# Allegro board A733_PRO3_AXP318_LPDDR5_FBGA315BALL_32X1_V2_0.brd (continued)
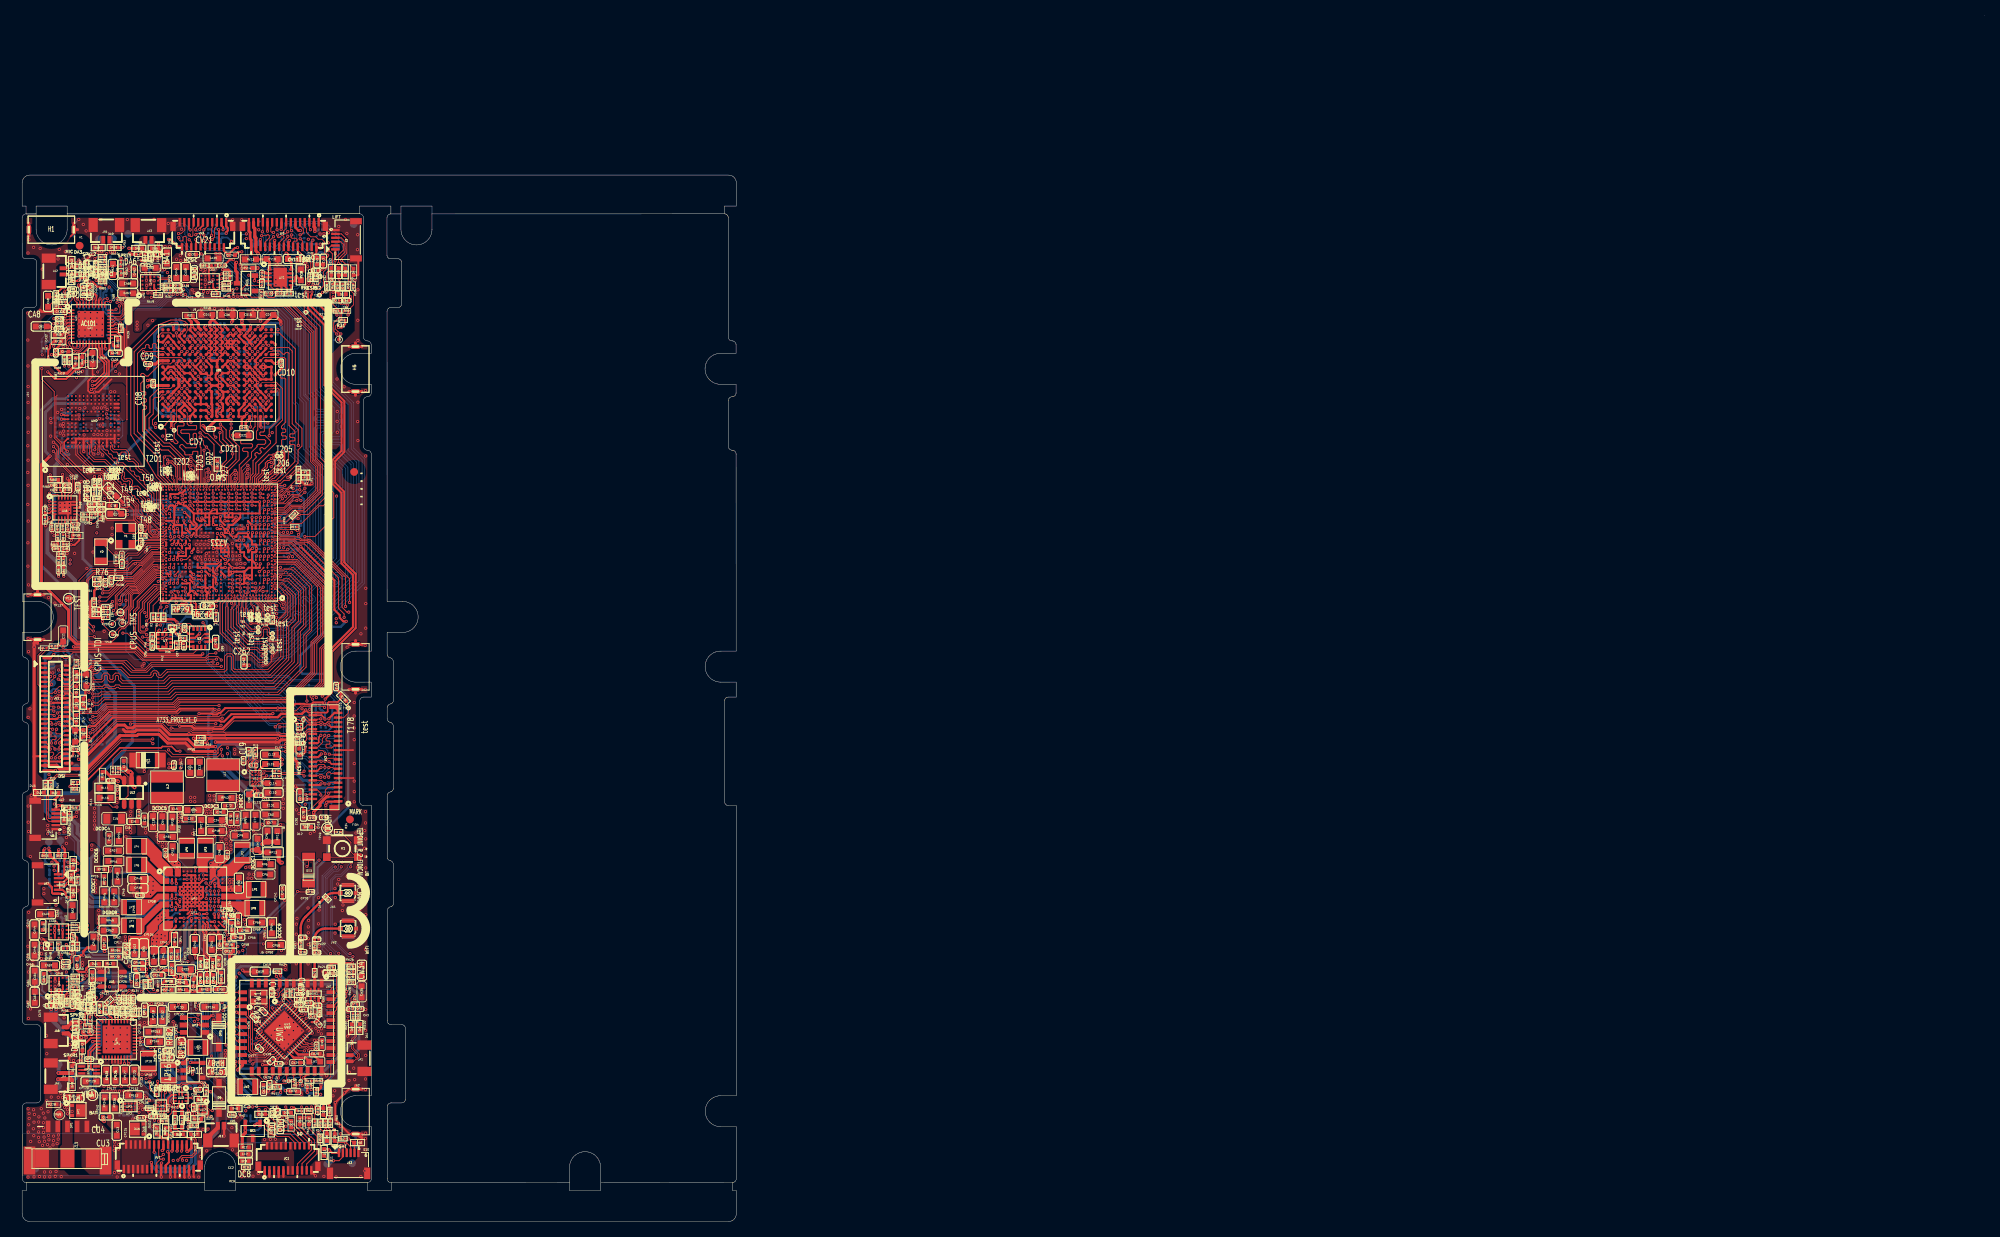
[diagram p0: board, top side]
## Routing (per net, layer and track width the routed paths; a pad name or vN(x,y) marks a point on that pad's centre or on a via; arc(x,y) is an arc through that point) (continued)
VBUS-AXP318: length 2.7
  TOP w0.203: UP4.7 12.78,20.48 12.66,20.36 ; UP4.5 11.98,20.49 ; UP4.4 11.58,20.46 ; UP4.6 12.38,20.44
  vias: v1(15.06,19.83) v1(15.03,19) v1(15.46,18.96) v1(15.91,19.02) v1(16.34,19.04) v1(16.49,18.58) v1(16.76,19.03) v1(16.81,36.09) v1(16.82,35.62) v1(16.93,36.55) v1(17.19,19.02) v1(17.31,36.09) v1(17.33,35.62) v1(17.4,37.03) v1(17.41,36.54) v1(17.81,36.04) v1(17.94,37.01) v1(17.92,36.53) v1(18.42,36.85)
VBUS-AXP515: length 10.3
  TOP w0.254: v1(7.2,20.69) 7.3,20.79 RP245.1 ; UP5.A2 17.32,14.96 17.27,15.01 17.09,15.01 v1(17.09,15.01)
  L3 w0.254: v1(10.41,16.83) 9.75,16.83 7.2,19.38 v1(7.2,20.69)
  BOTTOM w0.254: 14.63,17.12 15.04,16.7 16.01,16.7 17.11,15.6 17.11,15.03 v1(17.09,15.01)
  vias: v1(10.93,16.83) v1(11.46,16.81) v1(12,16.81) v1(12.55,16.81) v1(13.11,16.81) v1(13.64,16.85) v1(15.19,25.65) v1(15.56,25.25) v1(15.76,25.67) v1(16.09,25.26) v1(16.26,25.7) v1(16.62,25.26)
VBUS-USB: length 0.5
  BOTTOM w0.254: RP237.2 14.27,13.22 v1(14.27,13.22)
VCC09-VDD2L: length 45.8
  TOP w0.254: UD1.Y6 UD1.AA6 32.61,107.85 32.61,107.86 v1(32.65,107.86) ; 23.83,102.26 23.84,102.25 CD7.1 ; v1(24.09,104.26) 24.07,104.27 24.05,104.27 24.05,104.34 UD1.J2 UD1.H2 ; UD1.P2 v1(26.88,105) UD1.N2
  TOP w0.305: v1(27.57,114.65) 27.23,114.31 UD1.P14 27.2,114.25 v1(26.84,114.61) 26.53,114.3 UD1.N14 ; CD10.1 33.08,110.98 v1(32.8,110.71) 32.48,110.71 UD1.AA10 UD1.Y10 ; UD1.J14 23.73,114.3 v1(23.41,114.62) 23.04,114.25 UD1.H14 23.03,114.3 v1(22.68,114.65) ; v1(16.13,110) 16.48,110.35
  TOP w0.381: 16.48,110.35 CD9.1 17.23,110.64 17.64,111.05 UD1.A10 UD1.B10 ; v1(27,116.04) 27.15,116.19 CD6.1 ; v1(23.32,102.69) 23.78,102.23 23.83,102.23 23.83,102.26 24.92,103.35 26.56,103.35 26.59,103.37 26.87,103.37 v1(26.91,103.41) ; v1(8.15,94.82) 8.15,94.81 8.41,94.54 RP198.2 ; v1(16.16,107.7) 16.33,107.86 CD8.1 18.12,107.86 UD1.A6 UD1.B6
  TOP w0.508: CD6.1 27.15,117.62 v1(27.14,117.62)
  L3 w0.381: v1(27.57,114.65) 27.57,114.53 27.63,114.53 28.2,113.96 29.48,113.96 30.15,113.28 30.15,113.26 32.71,110.71 v1(32.8,110.71) 32.1,110 32.1,108.41 v1(32.65,107.86)
  BOTTOM w0.305: v1(26.88,105) 26.43,104.55 26.43,103.89 v1(26.91,103.41)
  BOTTOM w0.381: v1(8.15,94.82) 9.39,94.82 10.85,96.28 10.85,96.64 16.6,102.39
  vias: v1(26.5,117.74)
VCC33-18-USB: length 42
  TOP w0.178: v1(23.14,83.84) 22.63,83.84 U1.1F19
  TOP w0.203: v1(20.35,60.68) 19.88,60.68 19.27,61.29 18.09,61.29 17.91,61.11 12.59,61.11 8.19,56.7 RP7.2 7.09,56.45 7.09,56.45 7.09,55.7 RP39.2
  L4 w0.178: v1(20.35,60.68) 20.35,62.38 21.48,63.51 21.48,75.97 21.95,76.44 21.95,78.65 22.38,79.09 22.38,79.56 22.57,79.74 22.57,80.05 22.33,80.28 22.33,80.87 22.54,81.08 22.54,82.01 22.49,82.06 22.49,82.75 22.52,82.77 22.52,83.21 23.14,83.83 v1(23.14,83.84)
  BOTTOM w0.254: C8.1 23.07,83.77 v1(23.14,83.84)
VCC33-18-USB-2: length 23.7
  TOP w0.178: v1(23.14,82.75) 23.04,82.85 U1.1D19
  TOP w0.305: RP2.2 22.13,62.39 v1(22.08,62.34)
  TOP w0.381: v1(22.08,62.34) 22.57,61.86 RP50.2
  L4 w0.254: v1(22.08,62.34) 22.08,75.64 22.83,76.39 22.83,77.46 23.35,77.98 23.35,80.71 23.59,80.95 23.59,82.29 v1(23.14,82.75)
  BOTTOM w0.254: v1(23.14,82.75) 23.29,82.6 C108.1
VCC-5V: length 13.7
  TOP w0.203: v1(17.83,14.11) 17.94,14.22 UP5.B1
  BOTTOM w0.305: v1(24.72,25.51) 24.79,25.57 RP255.1 ; v1(11.82,30.87) 11.89,30.95 CU1.2 ; v1(17.83,14.11) 17.76,14.04 CP135.2
  BOTTOM w0.381: v1(17.1,23.75) 17.1,23.6 17.7,23 17.7,18.57 19.05,17.22 19.28,17.22 19.57,16.93 19.57,16.17 17.83,14.43 v1(17.83,14.11)
  vias: v1(24.71,25.97)
VCC-5V-USB:
  vias: v1(5.04,34.4) v1(5.03,33.96) v1(5.4,50.84) v1(5.42,50.28) v1(9.76,32.7) v1(10.21,32.7)
VCC-IO: length 250.9
  TOP w0.203: U1.1U5 29.62,89.82 v1(29.64,89.84)
  TOP w0.254: U1.1F17 23.69,83.85 24.1,83.44 24.12,83.44 v1(24.16,83.4) ; v1(32.85,14.77) 32.95,14.67 RC3.2 ; v1(12.02,110.37) 13.18,111.53 13.18,115.13 12.83,115.48 RA29.1 ; v1(36.7,14.72) 36.69,14.71 R64.1 ; RC4.2 35.06,14.71 v1(34.74,14.71) ; R1.2 R3.1 36.8,95.57 36.8,95.57 v1(36.8,95.5) ; v1(40.58,116.95) 40.58,117.14 40.39,117.34 R60.1 40.36,117.53 39.04,117.53 v1(38.03,118.54) ; v1(38.99,66.9) 38.98,66.9 38.82,66.9 38.76,66.97 37.52,66.97 37.27,66.72 36.41,66.72 36.34,66.79 35.82,66.79 35.81,66.79 35.24,66.79 34.69,66.24 v1(32.95,66.24) 26.18,66.24 25.57,65.63 25.34,65.63 25.14,65.43 24.58,65.43 24.48,65.53 v1(22.8,65.53) ; v1(29.64,89.84) 29.13,90.35 U1.1W6 ; v1(42.02,116.97) 42.06,117.01 R59.1
  TOP w0.305: RA91.2 RA90.2 26.76,122.62 26.59,122.8 v1(25.85,122.8) ; v1(39.21,15.38) 39.21,15.35 39.64,14.92 R63.1 ; RP50.1 23.83,61.77 v1(23.88,61.72) ; RA29.1 12.71,115.88 v1(12.66,115.93)
  TOP w0.381: RP242.1 18.43,29.88 18.61,30.06 18.61,30.35 v1(18.62,30.36)
  L3 w0.254: v1(32.95,66.24) 32.93,66.27 32.93,70.12 34.01,71.2 34.01,76.02 35.96,77.98 35.96,86.34 34.73,87.58 33.61,87.58 31.75,89.44 30.02,89.44 29.64,89.82 v1(29.64,89.84) ; v1(40.58,116.95) 42.01,116.95 v1(42.02,116.97) ; v1(25.85,122.8) 26.4,122.25 28.18,122.25 29.46,123.53 31.9,123.53 35.96,119.47 37.78,119.47 38.08,119.16 38.08,118.59 v1(38.03,118.54) 38.27,118.3 38.27,96.93 36.9,95.57 36.86,95.57 v1(36.8,95.5) ; v1(15.07,14.09) 15.07,13.31 16.83,11.56 21.7,11.56 22.75,12.61 28.74,12.61 29.87,13.74 31.82,13.74 v1(32.85,14.77)
  L4 w0.254: v1(11.22,120.56) 11.22,121.85 13,123.63 14.34,123.63 15.24,124.52 16.75,124.52 17.58,125.36 19.92,125.36 20.16,125.6 25.67,125.6 26.08,125.19 26.08,123.02 v1(25.85,122.8) ; v1(15.07,14.09) 15.29,14.09 15.35,14.03 15.71,14.03 15.96,14.28 15.96,14.55 16.84,15.43 16.84,16.59 17.45,17.2 17.67,17.2 17.86,17.39 18.41,17.39 v1(19.08,16.73) 19.18,16.83 19.19,16.86 19.33,17 19.35,17.01 19.37,17.02 19.96,17.61 21.41,17.61 21.76,17.26 v1(21.76,17.15)
  L4 w0.381: v1(18.62,30.36) 18.62,30.52 18.6,30.54 18.6,30.92 17.59,31.93 17.35,31.93 17.06,32.22 17.06,32.66 17.17,32.76 17.17,34.48 16.3,35.34 16.3,36.65 16.89,37.24 16.89,39.64 18.4,41.15 18.4,46.43 19.6,47.64 19.6,50.67 19.92,50.99 21.16,50.99 21.6,51.43 21.6,53.51 21.23,53.88 21.23,56.56 22.04,57.38 22.04,59.51 23.43,60.89 23.43,61.43
  BOTTOM w0.254: v1(32.85,14.77) 33.29,14.33 34.36,14.33 v1(34.74,14.71) 35.17,14.28 36.29,14.28 36.7,14.68 v1(36.7,14.72) 37.09,14.33 38.16,14.33 v1(39.21,15.38) ; RA27.2 10.68,120.02 10.47,119.81 10.47,119.22 10.47,119.22 10.47,118.41 10.83,118.06 10.83,117.66 11.65,116.84 11.74,116.84 v1(12.66,115.93) ; R38.2 39.14,63.25 R39.2 39.39,63.24 39.99,63.83 39.99,66.19 39.27,66.9 39.02,66.9 39.02,66.9 v1(38.99,66.9) ; C9.1 29.64,90.15 v1(29.64,89.84) 29.64,89.35 C16.1 31.9,89.33 C17.1 33.06,88.87 33.47,88.46 35.07,88.46 35.29,88.24 35.8,88.24 36.04,88.48 36.04,88.66 36.34,88.96 36.34,93.2 35.38,94.17 35.38,95.09 35.79,95.5 v1(36.8,95.5) ; v1(12.02,110.37) 10.8,109.14 RP287.1
  BOTTOM w0.305: RP234.1 14.52,14.51 14.94,14.09 v1(15.07,14.09) ; v1(19.08,16.73) 19.08,16.36 18.48,15.77 18.32,15.77 RP272.1 18.31,15.75 RP271.1 ; RA28.2 11.58,120.2 v1(11.22,120.56) 10.85,120.18 RA27.2
  BOTTOM w0.381: v1(18.62,30.36) 18.62,27.96 17.92,27.26 17.92,24.36 18.75,23.52 18.75,19.15 20,17.9 21.22,17.9 21.76,17.35 v1(21.76,17.15)
VCC-RTC: length 69.3
  TOP w0.254: RP3.1 8.61,29.26 RP8.1 8.6,29.61 8.62,29.63 v1(8.62,29.68)
  TOP w0.305: v1(8.42,26.82) 8.15,26.82 8.1,26.78 8.1,26.74 8.08,26.72 8.08,25.35 RP19.2 ; 9.27,80.17 R23.1 ; 9.27,80.17 8.99,80.17 8.8,79.97 8.8,78 8.92,77.88 10.41,77.88 R21.1 ; 9.27,80.17 9.29,80.2 9.29,81.38 v1(9.62,81.71) 9.36,81.97 C51.1 9.37,82.23 R76.1
  L3 w0.305: v1(8.42,26.82) 8.42,27.86 8.61,28.04 8.61,29.62 8.62,29.63 v1(8.62,29.68) 8.62,30.16 10.66,32.21 10.66,33.11 8.44,35.33 8.44,36.84 7.96,37.32 7.96,38.58 8.47,39.09 8.47,41.34 8.59,41.46 8.59,46.98 7.93,47.63 7.93,58.94 8.33,59.34 8.33,60.92 7.73,61.53 7.73,68.54 8.12,68.93 8.12,69.65 8.62,70.14 8.62,73.35 8.3,73.67 8.3,80.39 v1(9.62,81.71)
VCC-SENSOR: length 110.1
  TOP w0.203: RV10.2 41.12,67.47 40.69,67.03 39.53,67.03 39.39,66.89 39.39,65.79 39.26,65.66 38.12,65.66 38.11,65.67 36.9,65.67 v1(36.56,66)
  TOP w0.254: v1(18.48,76.39) 18.48,76.3 18.09,75.91 U7.3 ; 24.52,74.91 24.4,74.8 U2.12 ; 24.52,74.91 24.78,75.17 C89.1 ; 24.52,74.91 24.49,74.93 v1(24.49,74.96) ; U2.8 21.96,74.19 21.14,74.19 21.11,74.16 20.98,74.16 C87.1 20.84,74.07 20.5,74.07 v1(20.45,74.01) 20.39,74.07 19.95,74.07 R42.2 19.52,73.68 v1(18.96,73.68) 17.75,73.68 17.54,73.9 U7.7 ; v1(35.57,63.24) 35.56,63.25 U5.B1 ; v1(20.42,76.6) 20.53,76.49 20.6,76.49 20.76,76.33 C88.1 21.46,75.8 U2.5
  TOP w0.305: v1(20.32,63.91) 21.86,63.91 22.16,63.61 24.65,63.61 24.7,63.56 25.83,63.56 27.34,65.07 31.46,65.07 31.46,65.07 32.95,65.07 33.37,65.49 36.06,65.49 36.54,65.96 36.54,65.97 v1(36.56,66) ; CV9.2 41.12,68.12 RV10.2 ; U7.7 17.25,74.19 17.07,74.01 C96.1
  TOP w0.381: RP42.2 22.8,29.7 v1(21.99,29.7) 21.37,29.7 RP53.2
  L3 w0.305: v1(21.99,29.7) 18.19,29.7 17.79,29.3 15.79,29.3 v1(15.4,29.69)
  L4 w0.254: v1(18.96,73.68) 18.96,74.01 19.09,74.14 19.09,75.65 18.48,76.26 v1(18.48,76.39) ; v1(36.56,66) 36.56,63.36 36.44,63.24 v1(35.57,63.24)
  L4 w0.305: v1(15.4,29.69) 15.4,30.27 14.62,31.05 14.61,31.05 14.06,31.6 14.06,31.69 14.05,31.7 14.05,32.38 14.42,32.75 14.42,33.3 14.88,33.76 14.88,37.38 15.47,37.96 15.47,40.23 15.73,40.5 15.73,43.93 16.45,44.65 16.45,50.82 15.91,51.37 15.91,54.06 18.43,56.58 18.43,59.41 19.36,60.35 19.36,62.68 20.32,63.64 v1(20.32,63.91) 20.52,64.11 20.52,73.94 v1(20.45,74.01)
  BOTTOM w0.254: 18.58,76.49 v1(18.48,76.39) ; 18.58,76.49 19.87,76.49 19.98,76.6 v1(20.42,76.6) 20.42,76.6 20.42,77.33 C92.1 ; 18.58,76.49 18.73,76.64 R44.2 18.74,77.13 C97.1 ; C93.1 22.12,77.7 23.55,77.7 23.8,77.44 23.8,75.65 v1(24.49,74.96)
  BOTTOM w0.305: C93.1 C92.1
VCC-UFS:
  vias: v1(7.33,104.07) v1(7.36,103.55) v1(9.97,103.59) v1(11.42,107.06) v1(11.93,107.05)
VCC-UFS-IO: length 22.8
  TOP w0.254: U1.1V20 v1(21.6,90.38)
  L4 w0.305: v1(10.95,103.69) 11.63,103.01 11.63,97.52 15.58,93.57 16.05,93.57 v1(16.13,93.65)
  BOTTOM w0.254: RP290.2 12.46,103.1 11.95,103.61 RM38.2 11.03,103.61 v1(10.95,103.69)
  BOTTOM w0.305: v1(16.13,93.65) 16.41,93.65 16.97,93.1 CM1.1 18.67,93.1 19.31,92.45 CM2.1 19.35,92.41 19.74,92.03 20.6,92.03 20.68,92.1 21.19,92.1 21.6,91.7 v1(21.6,90.38)
VCC-VDDQ: length 41.9
  TOP w0.254: v1(27.6,115.45) 27.61,115.44 27.61,115.38 UD1.R15 ; UD1.F12 21.63,112.74 v1(21.93,113.04) ; v1(28.97,104.25) 28.96,104.24 28.96,104.19 UD1.T1 UD1.R1 UD1.R2 28.63,105.35 UD1.T3 28.63,105.55 28.93,105.85 v1(28.94,105.85) 28.63,106.17 UD1.T4 28.63,106.31 28.99,106.67 28.99,106.72 UD1.U5 ; UD1.V12 30.03,112.7 30.73,113.4 UD1.W13 30.73,113.55 31,113.82 31.04,113.82 v1(31.07,113.85) 31.07,113.89 UD1.Y14 ; UD1.T15 UD1.R15 ; UD1.R15 27.93,114.94 v1(28.25,114.62) 28.25,114.57 UD1.R14 27.93,114.15 UD1.T13 28.92,113.16 28.92,113.07 28.94,113.05 28.96,113.05 ; UD1.E5 21.25,106.73 21.25,106.64 21.26,106.65 21.63,106.27 UD1.F4 21.29,105.91 v1(21.29,105.85) 21.32,105.82 21.32,105.77 UD1.F3 21.63,105.39 22.33,104.69 UD1.G2 21.98,104.2 ; v1(32.64,113.14) 32.33,113.45 UD1.AA13 ; v1(21.28,112.25) 21.27,112.24 21.27,112.19 UD1.E11 ; v1(21.28,113.85) 21.29,113.84 21.29,113.84 21.32,113.82 21.32,113.77 UD1.F13 ; v1(21.77,103.14) 21.75,103.14 21.63,103.27 UD1.F1 21.98,104.2 ; 21.98,104.2 UD1.G1 ; v1(28.96,113.05) 28.96,113.05 ; 28.96,113.05 28.95,113.05 28.92,113.05 28.63,112.75 UD1.T12 28.63,112.61 v1(28.99,112.25) 29.01,112.23 29.02,112.23 29.02,112.14 29.3,111.85 UD1.U11 ; v1(29.67,105.85) 30.03,106.22 UD1.V4 30.38,105.9 UD1.W3 30.73,105.41 v1(31.06,105.08) 31.39,104.66 UD1.Y2 UD1.AA3 ; UD1.A3 18.83,104.75 18.83,104.7 ; v1(17.58,113.66) 17.58,113.6 17.73,113.45 UD1.A13 UD1.B14 18.88,114.25 19.2,113.84 19.53,113.5 UD1.C13 19.88,113 UD1.D12 ; 18.83,104.7 v1(19.2,105.08) 19.53,105.4 UD1.C3 19.53,105.5 v1(19.87,105.85) 20.23,106.2 UD1.D4 ; 18.83,104.7 UD1.B2 ; UD1.G15 v1(21.91,115.47) 21.63,115.19 UD1.F15 21.63,115.01 22.33,114.31 UD1.G14
  TOP w0.305: UD1.T1 28.32,103.54 CD49.1
  TOP w0.381: v1(21.91,115.47) 21.82,115.56 21.82,116.07 21.14,116.75 RD1.2 ; UD1.T15 28.63,115.55 28.34,115.84 v1(28.34,116.16) CD16.1
  BOTTOM w0.305: CD52.1 31.02,105.04 v1(31.06,105.08) ; CD53.1 21.42,113.99 v1(21.28,113.85) ; CD51.1 19.97,105.75 v1(19.87,105.85) ; v1(28.96,113.05) 29.08,113.17 CD50.1 ; CD54.1 28.99,112.25 v1(28.99,112.25) ; v1(19.2,105.08) 19.19,105.09 CD20.1
  vias: v1(8.97,48.56) v1(8.97,47.99) v1(14.83,116.03) v1(14.82,115.59) v1(14.82,115.15)
VDD-CPUBFB: length 50.3
  TOP w0.102: UP1.B9 22.82,44.19 v1(22.83,44.18)
  TOP w0.127: v1(20.52,85.38) 20.55,85.4 21.18,85.4 U1.1K21
  L3 w0.102: v1(22.83,44.18) 19.74,47.27 19.74,56.77 20.78,57.81 20.78,61.05 20.41,61.42 20.41,63.36 20.78,63.73 20.78,64.29 20.42,64.66 20.42,73.38 20.84,73.79 20.84,77.02 20.1,77.76 19.68,77.76 18.27,79.17 18.27,84.91 18.4,85.04 20.18,85.04 v1(20.52,85.38)
  BOTTOM w0.102: v1(22.83,44.18) 22.83,44.67 23.27,45.1 RP268.1
VDD-CPULFB: length 57.7
  TOP w0.102: U1.1P21 21.62,87.91 21.27,88.26 v1(21.27,88.38)
  TOP w0.127: UP1.A8 v1(22.32,45.64)
  BOTTOM w0.102: v1(21.27,88.38) 20.88,87.98 14.94,87.98 13.15,86.19 13.15,81.72 13.71,81.16 13.71,79.39 13.38,79.06 13.38,73.64 14.49,72.53 15.75,72.53 17.53,70.75 17.53,70.74 17.54,70.73 17.54,70.71 17.55,70.7 17.55,58.86 16.3,57.62 16.3,52.42 19.68,49.05 19.68,47.22 21.26,45.64 v1(22.32,45.64) 22.27,45.59 RP270.1
VDD-DRAM: length 13
  TOP w0.102: U1.1U8 27.72,89.35 27.7,89.36 v1(27.64,89.36) ; 28.43,89.35 28.54,89.46 v1(28.59,89.46)
  TOP w0.178: 25.17,89.39 25.59,89.39 U1.1U13
  TOP w0.229: v1(22.6,90.65) 22.9,90.35 U1.1W18 23.12,90.74 v1(23.16,90.78) 23.59,90.35 U1.1W17 ; U1.1U13 25.21,89.35 v1(25.15,89.42) ; C134.1 19.46,58.53 v1(18.93,58.53) ; U1.1U8 28.48,89.35 v1(28.59,89.46)
  TOP w0.305: v1(13.61,91.2) 12.9,91.2 C77.1 12.1,91.99 C78.1
  TOP w0.381: C135.1 12.28,56.88 v1(12.38,56.78)
  L3 w0.102: 21.85,89.03 21.36,89.03 21.35,89.01 21.07,89.01 21.06,89.03 20.68,89.03 ; 18.66,89 20.53,89 20.63,89.1
  BOTTOM w0.203: C83.1 25.47,89.34 25.22,89.34 v1(25.15,89.42)
  BOTTOM w0.254: C82.1 28.3,89.75 v1(28.59,89.46) ; C79.1 27.6,89.41 v1(27.64,89.36) ; C80.1 23.19,90.75 v1(23.16,90.78)
  BOTTOM w0.305: C81.1 22.69,90.74 v1(22.6,90.65)
  vias: v1(9.88,40.11) v1(9.88,39.55) v1(9.85,39.04) v1(9.85,38.52) v1(12.27,56.26) v1(12.27,55.75) v1(12.27,55.24) v1(24.16,54.94) v1(24.2,54.38) v1(24.75,54.93) v1(24.77,54.37)
VDD-GPUFB: length 61.6
  TOP w0.102: UP1.C5 21.24,44.17 v1(21.25,44.16) ; v1(25.18,88.77) 25.2,88.77 U1.1R13
  L3 w0.102: v1(21.25,44.16) 21.24,44.17 19.83,44.17 16.57,47.43 16.57,49.36 16.21,49.72 13.81,49.72 13.14,50.39 13.14,58.7 13.39,58.95 13.39,64.69 13.78,65.08 13.78,83.41 13.21,83.98 13.21,84.28 13.99,85.05 13.99,85.27 17.17,88.44 18.59,88.44 18.92,88.77 v1(25.18,88.77)
  BOTTOM w0.102: RP269.1 v1(21.25,44.16)
VDD-SYSFB: length 48.2
  TOP w0.178: U1.1K13 26.06,85.42 v1(26.19,85.42)
  TOP w0.203: UP1.B11 23.7,44.67 23.67,44.7 v1(23.37,44.7)
  L3 w0.102: v1(26.19,85.42) 25.77,85 25.77,84.89 25.77,82.96 26.08,82.65 26.08,80.91 26.65,80.35 26.65,79.47 27.06,79.06 27.06,71.73 28.62,70.17 28.62,57.21 27.06,55.64 27.06,52.21 26.7,51.85 25.8,51.85 25.31,51.36 25.31,47.38 25.7,46.99 25.7,45.67 24.73,44.7 v1(23.37,44.7)
  BOTTOM w0.102: RP267.1 24.49,44.7 v1(23.37,44.7)
VDD-USB: length 7.4
  TOP w0.254: v1(22.2,79.89) 22.43,79.66 22.43,78.53 RP296.2 21.91,78.37 RP297.2 ; v1(22.12,82.39) 22.06,82.39 21.62,82.82 U1.1D21
  L4 w0.305: v1(22.2,79.89) 21.74,80.35 21.74,82.04 22,82.29 22.03,82.29 v1(22.12,82.39)
  BOTTOM w0.254: v1(22.12,82.39) 22.25,82.27 22.34,82.27 22.45,82.16 C6.1
VINT: length 1.4
  TOP w0.102: UP1.L13 24.82,40.63 v1(24.77,40.68)
  BOTTOM w0.114: v1(24.77,40.68) 24.3,40.21 CP20.2
VPP/VCC: length 4.7
  TOP w0.203: UA1.15 8.66,112.83 7.82,111.99 7.81,111.99 v1(7.8,111.97) 7.74,111.92 RA9.2 7.39,111.5 7.32,111.43 RA10.1
  BOTTOM w0.305: CA10.1 8.65,112.82 7.82,111.99 7.81,111.99 v1(7.8,111.97)
VRN/AGND: length 1.5
  TOP w0.203: RA26.1 5.5,115.16 5.59,115.25 5.6,115.25 5.94,115.58 UA1.6
VRP/AVCC: length 3.6
  TOP w0.203: v1(5.56,115.78) 5.58,115.78 5.68,115.89 5.79,115.89 5.88,115.98 UA1.5
  TOP w0.381: v1(3.88,115.25) 3.65,115.48 CA1.2
  L3 w0.254: v1(5.56,115.78) 5.02,115.25 v1(3.88,115.25)
AECLN: length 27.9
  TOP w0.102: v1(8.87,90.56) 8.96,90.66 CA97.2 8.95,91.22 RA84.2 ; v1(5.46,110.37) 5.46,110.38 RA88.1
  L3 w0.102: v1(8.87,90.56) 8.87,90.7 7.82,91.75 7.82,94.1 6.83,95.09 6.83,108.69 v1(7.01,108.86)
  BOTTOM w0.102: v1(7.01,108.86) 6.82,108.86 5.46,110.23 v1(5.46,110.37) 5.46,111.21 4.62,112.05 4.62,114.37 RA86.1
AECLP: length 30.2
  TOP w0.102: RA87.1 6.11,110.44 v1(6.03,110.36) ; CA94.2 9.97,90.71 9.34,90.08 8.87,90.08 v1(8.85,90.05) 8.36,90.54 RA83.2
  L3 w0.102: v1(8.85,90.05) 8.85,90.09 8.51,90.42 8.51,90.75 7.61,91.65 7.61,94.02 6.63,95 6.63,108.99 7.04,109.4 v1(7.3,109.4)
  BOTTOM w0.102: v1(7.3,109.4) 6.58,109.4 6.03,109.95 v1(6.03,110.36) 5.9,110.49 5.9,111.05 4.86,112.09 4.86,114.29 RA85.1
AECRN: length 45.8
  TOP w0.102: RA80.1 9.7,121.28 v1(9.55,121.44) ; RA82.2 4.59,89.27 CA87.2 4.24,88.61 v1(4.11,88.48)
  L3 w0.102: v1(4.11,88.48) 4.75,88.48 4.9,88.33 4.89,88.22 4.79,88.12 3.62,88.12 1.85,89.89 1.85,107 4.12,109.27 4.12,110.66 3.29,111.49 3.29,112.05 2.74,112.6 2.74,116 4.16,117.42 5.59,117.42 6.43,118.26 6.43,121.07 7.77,122.41 8.57,122.41 v1(9.55,121.44)
AECRP: length 47.6
  TOP w0.102: v1(9.37,124.23) 9.58,124.44 RA79.1 ; RA81.2 5.26,88.62 CA84.2 5.65,88.6 5.77,88.48 5.77,88.4 5.79,88.39 5.89,88.39 v1(5.9,88.38)
  L3 w0.102: v1(5.9,88.38) 5.34,88.38 4.87,87.91 3.54,87.91 1.65,89.8 1.65,107.09 3.92,109.35 3.92,110.57 3.09,111.4 3.09,111.97 2.54,112.51 2.54,116.09 4.08,117.63 5.51,117.63 6.22,118.34 6.22,121.16 7.68,122.62 8.58,122.62 9.37,123.4 v1(9.37,124.23)
AFVCC-CSI: length 132.8
  TOP w0.114: JV1.4 37.33,126.47 v1(37.49,126.62)
  TOP w0.254: v1(25.33,127.96) 25.38,127.92 25.38,125.78 JV3.4
  L3 w0.203: v1(37.49,126.62) 37.58,126.52 38.59,126.52 38.91,126.2 38.91,123.71 39.08,123.54 39.08,120.99 39.66,120.41 39.66,119.66 39.22,119.22 39.22,95.92 38.51,95.21 38.51,90.35 38.8,90.07 38.8,76.67 36.8,74.67 36.8,69.83 35.87,68.91 35.87,66.36 v1(36.08,66.15) ; v1(20.39,36.06) 21,35.44 23.25,35.44 24.82,33.87 28.24,33.87 30.13,35.76 30.13,38.52 30.65,39.05 30.65,42.76 31.89,44 31.89,47.24 36.19,51.54 36.19,53.53 v1(36.49,53.83)
  L4 w0.203: v1(37.49,126.62) 37.49,125.42 37.88,125.02 37.88,124.69 37.64,124.45 37.3,124.45 35.64,126.11 28.59,126.11 26.31,128.39 25.65,128.39 25.33,128.07 v1(25.33,127.96) ; v1(36.08,66.15) 36.08,65.61 35.68,65.21 35.68,65.19 34.89,64.39 34.89,61.99 36.96,59.91 36.96,54.3 v1(36.49,53.83)
  BOTTOM w0.114: 37.15,125.46 T136.1
  BOTTOM w0.203: v1(37.49,126.62) 37.15,126.28 CV4.1 37.15,125.46 ; CV16.1 37.02,53.92 RV5.1 36.66,54 v1(36.49,53.83) ; CV23.1 25.02,128.03 25.26,128.03 v1(25.33,127.96)
AGND/VRP: length 1.6
  TOP w0.203: RA8.1 5.18,114.41 5.71,114.94 5.73,114.94 5.97,115.18 UA1.7
ALDO1: length 191.5
  TOP w0.229: U1.1M23 20.62,87.13 v1(20.42,87.33)
  TOP w0.254: v1(10.37,82.63) 10.41,82.67 C20.1 ; v1(19.83,39.02) 19.82,39.01 UP1.P3 ; RP10.1 RP9.1 16.6,31.12 16,31.71 v1(16,32.03) ; v1(23.11,83.28) 22.68,83.28 22.62,83.34 U1.1E19 ; RU1.1 6.54,52.09 6.69,52.23 v1(7.02,52.23) ; v1(36.51,61.22) 36.51,60.58 36.08,60.15 RV9.2 35.23,60.63 35.23,61.34 35.49,61.6 RV11.2
  TOP w0.305: RV11.2 35.18,61.8 34.33,62.64 33.25,62.64 33.09,62.8 26.23,62.8 26.18,62.75 24.36,62.75 24.31,62.8 21.64,62.8 v1(21.51,62.93) ; v1(6.68,56.08) 6.66,56.07 6.66,55.77 RP39.1 ; CP12.2 7.59,34.37 v1(7.89,34.37) 7.89,34.84 8.39,35.34 CP11.2
  TOP w0.381: v1(21.51,62.93) 21.39,62.81 19.05,62.81 17.93,63.93 14.53,63.93 14.28,63.69 13.56,63.69 13.2,64.05 12.29,64.05 7.87,59.64 v1(7.28,59.64) ; RP4.1 19.66,37.07 v1(19.86,37.27)
  L3 w0.381: v1(10.37,82.63) 9.84,82.63 7.85,80.64 7.85,73.23 8.03,73.06 8.03,70.18 7.68,69.83 7.68,69.12 7.28,68.72 v1(7.28,59.64) 7.28,56.69 v1(6.68,56.08) 6.68,53.48 6.55,53.35 6.55,52.6 6.92,52.23 v1(7.02,52.23) 7.02,52.07 7.49,51.6 7.49,47.43 8.15,46.78 8.15,41.65 8.02,41.53 8.02,39.28 7.51,38.77 7.51,37.14 7.85,36.8 7.85,34.4 v1(7.89,34.37)
  L4 w0.178: v1(21.51,62.93) 21.76,63.18 21.76,75.84 22.34,76.42 22.34,77.61 22.89,78.16 22.89,79.25 v1(22.84,79.3) 22.89,79.36 22.89,81 22.82,81.08 22.82,81.6 22.81,81.61 22.81,82.12 22.77,82.15 22.77,82.94 v1(23.11,83.28) ; 18.95,87.64 19.02,87.72 20.04,87.71 v1(20.42,87.33)
  L4 w0.254: v1(10.37,82.63) 10.35,82.65 10.04,82.65 9.82,82.87 9.82,84.25 10.15,84.57 11.38,84.57 13.06,86.26 13.78,86.26 14.59,87.06 14.59,87.07 14.86,87.35 15.58,87.35 15.96,87.73 16.85,87.73 16.93,87.64 18.95,87.64 ; v1(36.51,61.22) 37.07,61.79 v1(37.07,66.08) ; v1(16.41,15.61) 16.28,15.61 16.2,15.54 15.71,15.54 14.97,16.28 9.51,16.28 5.52,20.27 5.52,24.97 3.28,27.21 3.28,29.12 v1(3.16,29.24)
  L4 w0.305: v1(19.86,37.27) 20.12,37.54 20.12,38.81 19.91,39.02 v1(19.83,39.02)
  BOTTOM w0.254: v1(7.89,34.37) 7.83,34.31 7.22,34.31 7.02,34.11 6.11,34.11 5.38,34.84 4.07,34.84 2.58,33.35 2.58,29.82 v1(3.16,29.24) ; v1(22.84,79.3) 23.12,79.59 C7.1
  BOTTOM w0.305: v1(19.83,39.02) 18.43,37.62 17.18,37.62 16.14,36.58 16.14,35.43 14.85,34.14 ; v1(37.07,66.08) 37.07,66.49 37.25,66.66 CV8.2 37.87,66.65 RV12.2 ; v1(7.89,34.37) 8.58,34.37 9,33.95 14.66,33.95 14.85,34.14 ; 14.85,34.14 14.92,34.07 14.92,32.78 15.67,32.03 v1(16,32.03)
ALDO2: length 122.1
  TOP w0.254: T132.1 38.37,119.52 v1(38.74,119.89) ; v1(38.46,125.59) 38.32,125.59 38.16,125.75 JV1.2 37.93,124.4 CV5.1 ; UP1.J3 19.82,41.13 v1(20.31,40.64)
  TOP w0.305: CP13.2 19.22,35.29 v1(19.17,35.34) ; CV17.1 36.49,54.51 v1(36.51,54.49) 36.53,54.52 JV2.2
  L3 w0.305: v1(19.17,35.34) 19.17,35.11 19.29,34.98 23.18,34.98 24.65,33.52 28.48,33.52 30.55,35.58 30.55,38.39 31.01,38.85 31.01,42.61 32.27,43.87 32.27,47.11 36.58,51.43 36.58,53.28 36.95,53.64 36.95,54.02 36.9,54.08 36.9,54.1 v1(36.51,54.49) 36.1,54.9 36.1,55.61 36.1,55.61 36.1,57.07 35.89,57.29 35.89,58.3 36.05,58.46 36.05,61.68 36.71,62.33 36.71,64.94 36.32,65.33 35.82,65.33 35.3,65.84 35.3,69.15 36.21,70.05 36.21,74.99 38.23,77.01 38.23,89.8 37.94,90.08 37.94,95.78 38.65,96.49 38.65,119.8 v1(38.74,119.89) 38.48,120.15 38.48,122.44 38.06,122.86 38.06,125.18 v1(38.46,125.59)
  L4 w0.254: v1(19.17,35.34) 19.17,35.65 19.25,35.74 19.25,36.27 19.4,36.41 19.4,39.52 20.24,40.35 20.24,40.56 v1(20.31,40.64)
  BOTTOM w0.254: T156.1 36.06,53.46 36.06,54.05 v1(36.51,54.49)
ALDO3: length 134.8
  TOP w0.254: v1(36.85,119.9) 36.85,117.8 38.98,115.67 38.98,107.9 41.18,105.7 41.18,99.43 40.01,98.26 40.01,95.16 41.17,94 41.17,84.9 42.65,83.42 42.65,76.71 39.58,73.65 39.58,68.68 v1(38.69,67.79) ; JV3.2 26.01,125.26 CV24.1 26.6,124.77 27.43,125.6 27.71,125.6 v1(27.77,125.67) ; v1(20.33,41.54) 20.33,41.48 20.32,41.47 UP1.J4
  TOP w0.381: v1(20.44,31.75) 20.44,31.43 20.28,31.28 CP140.2
  L3 w0.254: v1(36.85,119.9) 35.95,120.8 35.95,122.11 32.66,125.4 29.29,125.4 29.02,125.67 v1(27.77,125.67) ; v1(38.69,67.79) 38.35,67.45 38.35,67.42 37.87,66.93 37.87,66.61 37.91,66.57 37.91,65.37 37.71,65.17 37.71,55.09 38.26,54.55 38.26,50.25 33.98,45.97 33.98,43.22 32.76,42 32.76,37.8 32.28,37.31 32.28,35.41 27.96,31.09 26.66,31.09 25.86,30.29 24.76,30.29 24.2,30.85 23.28,30.85 22.97,31.17 21.03,31.17 v1(20.44,31.75)
  L4 w0.305: v1(20.44,31.75) 20.56,31.86 20.56,31.99 21.88,33.31 21.88,33.8 21.6,34.08 21.6,38.1 21.34,38.36 21.34,39.65 20.84,40.15 20.84,41.08 20.39,41.54 v1(20.33,41.54)